# Altium PCB uZed_breakout.PcbDoc (part 2 of 4)
Units mm, origin at the board's own origin, x right, y up, seen from the top; angles counter-clockwise.
Board outline 101.6 x 80.24 mm, 4 copper layers (Top Layer, Layer 1, Layer 2, Bottom Layer), stack 0.603 mm thick; 59 components, 141 nets, 617 pads, 641 vias.
Unrouted connection lines stored in the file: 23.
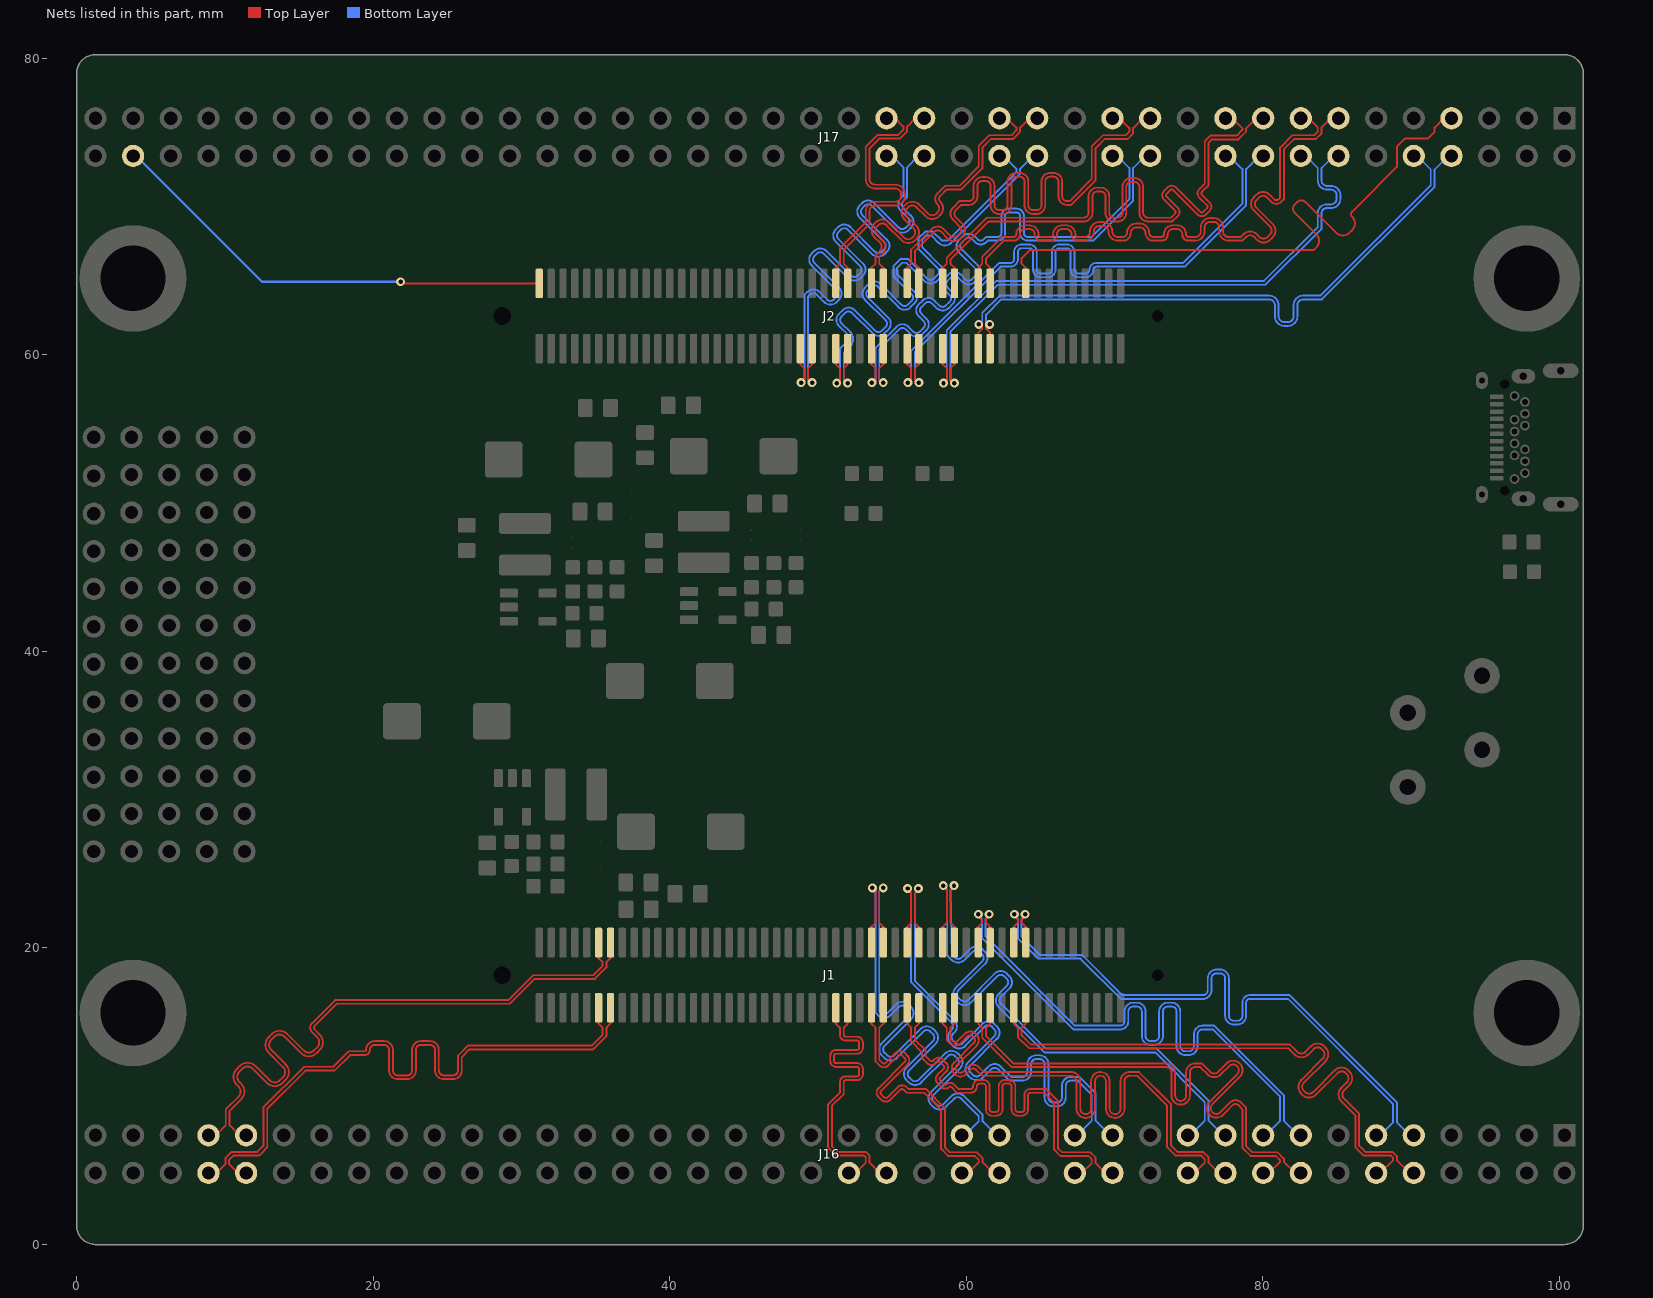
[diagram p4: the nets of this part, all layers, seen from the top]

## Via types
v1: diameter 0.6, hole 0.3, Top Layer to Bottom Layer, 562 vias
v2: diameter 0.6, hole 0.3, Top Layer to Bottom Layer, tented both sides, 75 vias
v3: diameter 0.711, hole 0.381, Top Layer to Bottom Layer, tented both sides, 4 vias

## Nets (pads, with @x,y where several pads share a name; then routed paths per layer and width w, separated by ;. In a path a pad name is that pad's centre, name@x,y a point inside that pad or via, vN(x,y) a via of type N, cw(c..) or ccw(c..) an arc to the next point about the centre after c; other vN are vias at no path point) (continued)
L1_T0_35_P: J2.18 J17.7 | length 42.3
  Top Layer w0.127: J2.18@64,64.811 64,65.875 63.727,66.148 63.727,66.523 64.26,67.056 83.417,67.056 83.592,67.231 ccw(c83.143,67.68) 83.778,67.68 ccw(c83.143,67.68) 83.592,68.129 82.138,69.584 cw(c82.407,69.853) 82.138,70.123 82.317,70.302 cw(c82.587,70.033) 82.856,70.302 84.933,68.225 ccw(c85.382,68.674) 85.831,68.225 86.011,68.405 ccw(c85.562,68.854) 86.197,68.854 ccw(c85.562,68.854) 86.011,69.303 cw(c86.184,69.476) 86.011,69.65 86.413,70.051 89.027,72.666 89.027,74.041 89.56,74.574 91.113,74.574 91.567,75.028 91.567,75.311 92.202,75.946 J17.7@92.71,75.946
L2_T0_34_N: J1.19 J16.12 | length 41.2
  Top Layer w0.127: J1.19@63.2,15.961 63.2,14.897 63.473,14.624 63.473,13.992 64.231,13.233 81.712,13.233 81.866,13.079 82.133,12.812 ccw(c82.587,13.265) 83.04,12.812 83.408,13.18 cw(c83.682,12.906) 83.956,13.18 84.037,13.099 cw(c83.763,12.825) 84.15,12.825 cw(c83.763,12.825) 84.037,12.552 82.573,11.088 ccw(c83.027,10.634) 82.573,10.181 82.654,10.1 ccw(c83.108,10.553) 83.561,10.1 85.025,11.564 cw(c85.299,11.29) 85.573,11.564 85.653,11.483 cw(c85.38,11.209) 85.767,11.209 cw(c85.38,11.209) 85.653,10.935 85.285,10.567 ccw(c85.739,10.113) 85.285,9.66 86.233,8.712 86.233,6.55 86.788,5.994 88.621,5.994 88.773,5.842 88.773,5.69 87.909,4.826 J16.12@87.63,4.826
L2_T0_34_P: J1.17 J16.10 | length 41.2
  Top Layer w0.127: J1.17@64,15.961 64,14.897 63.727,14.624 63.727,14.097 64.337,13.487 81.817,13.487 82.046,13.259 82.313,12.992 ccw(c82.587,13.265) 82.861,12.992 83.229,13.36 cw(c83.682,12.906) 84.136,13.36 84.217,13.279 cw(c83.763,12.825) 84.404,12.825 cw(c83.763,12.825) 84.217,12.372 82.753,10.908 ccw(c83.027,10.634) 82.753,10.36 82.834,10.28 ccw(c83.108,10.553) 83.381,10.28 84.845,11.743 cw(c85.299,11.29) 85.752,11.743 85.833,11.663 cw(c85.38,11.209) 86.021,11.209 cw(c85.38,11.209) 85.833,10.756 85.465,10.387 ccw(c85.739,10.113) 85.465,9.84 86.487,8.817 86.487,6.655 86.893,6.248 88.726,6.248 89.027,5.947 89.027,5.69 89.891,4.826 J16.10@90.17,4.826
L2_T0_35_N: J2.25 J17.10 | length 41.6
  Top Layer w0.127: J2.25@60.8,60.411 60.8,61.474 61.073,61.747 v2@61.073,61.976
  Bottom Layer w0.127: v2@60.883,62.052 61.073,62.243 61.073,62.818 62.238,63.983 80.416,63.983 cw(c80.416,63.348) 81.051,63.348 81.051,62.586 ccw(c81.432,62.586) 81.432,62.205 81.686,62.205 ccw(c81.686,62.586) 82.067,62.586 82.067,63.348 cw(c82.702,63.348) 82.702,63.983 83.871,63.983 91.313,71.425 91.313,72.492 90.399,73.406 J17.10@90.17,73.406
  other v2: 60.832,62.052
L2_T0_35_P: J2.23 J17.8 | length 41.8
  Top Layer w0.127: v2@61.518,62.052 61.403,62.052 61.327,61.976 61.327,61.747 61.6,61.474 J2.23@61.6,60.411
  Bottom Layer w0.127: v2@61.518,62.052 61.327,62.243 61.327,62.713 62.343,63.729 80.416,63.729 cw(c80.416,63.348) 80.797,63.348 80.797,62.586 ccw(c81.432,62.586) 81.432,61.951 81.686,61.951 ccw(c81.686,62.586) 82.321,62.586 82.321,63.348 cw(c82.702,63.348) 82.702,63.729 83.976,63.729 91.567,71.32 91.567,72.492 92.481,73.406 J17.8@92.71,73.406
  other v2: 61.568,62.052
L3_T0_34_N: J1.20 J16.11 | length 42.3
  Top Layer w0.127: J1.20@63.2,20.361 63.2,21.425 63.473,21.698 63.473,21.905 63.235,22.143 v2(63.235,22.271)
  Bottom Layer w0.127: v2(63.235,22.271) 63.235,22.196 63.472,21.96 63.472,20.648 64.841,19.279 67.691,19.279 70.409,16.561 75.936,16.561 ccw(c75.936,17.155) 76.53,17.155 76.53,17.948 cw(c76.871,17.948) 76.871,18.288 77.104,18.288 cw(c77.104,17.948) 77.445,17.948 77.445,15.428 ccw(c78.039,15.428) 78.039,14.834 78.273,14.834 ccw(c78.273,15.428) 78.867,15.428 78.867,16.332 cw(c79.096,16.332) 79.096,16.561 81.686,16.561 88.773,9.474 88.773,8.23 87.909,7.366 J16.11@87.63,7.366
L3_T0_34_P: J1.18 J16.9 | length 42.3
  Top Layer w0.127: v2(63.962,22.271) 63.962,22.143 63.727,21.907 63.727,21.698 64,21.425 J1.18@64,20.361
  Bottom Layer w0.127: v2(63.962,22.271) 63.962,22.196 63.726,21.96 63.726,20.753 64.946,19.533 67.796,19.533 70.514,16.815 75.936,16.815 ccw(c75.936,17.155) 76.276,17.155 76.276,17.948 cw(c76.871,17.948) 76.871,18.542 77.104,18.542 cw(c77.104,17.948) 77.699,17.948 77.699,15.428 ccw(c78.039,15.428) 78.039,15.088 78.273,15.088 ccw(c78.273,15.428) 78.613,15.428 78.613,16.332 cw(c79.096,16.332) 79.096,16.815 81.792,16.815 89.027,9.579 89.027,8.23 89.891,7.366 J16.9@90.17,7.366
L3_T0_35_N: J2.26 J17.15 | length 42.1
  Top Layer w0.127: J2.26@60.8,64.811 60.8,65.875 61.073,66.148 61.073,66.602 62.416,67.945 63.198,67.945 ccw(c63.198,68.108) 63.36,68.108 cw(c63.985,68.108) 63.985,68.732 64.234,68.732 cw(c64.234,68.108) 64.859,68.108 ccw(c65.021,68.108) 65.021,67.945 65.687,67.945 ccw(c65.687,68.108) 65.849,68.108 cw(c66.474,68.108) 66.474,68.732 66.723,68.732 cw(c66.723,68.108) 67.348,68.108 ccw(c67.511,68.108) 67.511,67.945 67.968,67.945 ccw(c67.968,68.316) 68.339,68.316 cw(c68.964,68.316) 68.964,68.94 69.212,68.94 cw(c69.212,68.316) 69.837,68.316 ccw(c70.208,68.316) 70.208,67.945 70.559,67.945 ccw(c70.559,68.214) 70.828,68.214 cw(c71.453,68.214) 71.453,68.839 71.702,68.839 cw(c71.702,68.214) 72.326,68.214 ccw(c72.596,68.214) 72.596,67.945 73.153,67.945 ccw(c73.153,68.109) 73.317,68.109 cw(c73.942,68.109) 73.942,68.734 74.191,68.734 cw(c74.191,68.109) 74.816,68.109 ccw(c74.98,68.109) 74.98,67.945 75.435,67.945 ccw(c75.435,68.316) 75.806,68.316 75.806,68.59 cw(c76.431,68.59) 76.431,69.215 76.68,69.215 cw(c76.68,68.59) 77.305,68.59 77.305,68.316 ccw(c77.676,68.316) 77.676,67.945 78.511,67.945 78.697,68.131 cw(c79.139,67.689) 79.581,68.131 79.775,67.937 ccw(c80.037,68.199) 80.299,67.937 80.475,68.113 ccw(c80.213,68.375) 80.584,68.375 ccw(c80.213,68.375) 80.475,68.637 79.383,69.729 cw(c79.825,70.171) 79.383,70.613 79.559,70.789 cw(c80.001,70.347) 80.443,70.789 80.742,70.489 ccw(c80.899,70.646) 81.055,70.489 81.153,70.587 81.153,73.968 81.988,74.803 83.464,74.803 83.693,75.032 83.693,75.336 83.083,75.946 J17.15@82.55,75.946
L3_T0_35_P: J2.24 J17.13 | length 42.1
  Top Layer w0.127: J2.24@61.6,64.811 61.6,65.875 61.327,66.148 61.327,66.497 62.521,67.691 63.198,67.691 ccw(c63.198,68.108) 63.614,68.108 cw(c63.985,68.108) 63.985,68.478 64.234,68.478 cw(c64.234,68.108) 64.605,68.108 ccw(c65.021,68.108) 65.021,67.691 65.687,67.691 ccw(c65.687,68.108) 66.103,68.108 cw(c66.474,68.108) 66.474,68.478 66.723,68.478 cw(c66.723,68.108) 67.094,68.108 ccw(c67.511,68.108) 67.511,67.691 67.968,67.691 ccw(c67.968,68.316) 68.593,68.316 cw(c68.964,68.316) 68.964,68.686 69.212,68.686 cw(c69.212,68.316) 69.583,68.316 ccw(c70.208,68.316) 70.208,67.691 70.559,67.691 ccw(c70.559,68.214) 71.082,68.214 cw(c71.453,68.214) 71.453,68.585 71.702,68.585 cw(c71.702,68.214) 72.072,68.214 ccw(c72.596,68.214) 72.596,67.691 73.153,67.691 ccw(c73.153,68.109) 73.571,68.109 cw(c73.942,68.109) 73.942,68.48 74.191,68.48 cw(c74.191,68.109) 74.562,68.109 ccw(c74.98,68.109) 74.98,67.691 75.435,67.691 ccw(c75.435,68.316) 76.06,68.316 76.06,68.59 cw(c76.431,68.59) 76.431,68.961 76.68,68.961 cw(c76.68,68.59) 77.051,68.59 77.051,68.316 ccw(c77.676,68.316) 77.676,67.691 78.617,67.691 78.877,67.951 cw(c79.139,67.689) 79.401,67.951 79.595,67.757 ccw(c80.037,68.199) 80.479,67.757 80.655,67.933 ccw(c80.213,68.375) 80.838,68.375 ccw(c80.213,68.375) 80.655,68.817 79.563,69.909 cw(c79.825,70.171) 79.563,70.433 79.739,70.609 cw(c80.001,70.347) 80.263,70.609 80.563,70.309 ccw(c80.899,70.646) 81.235,70.309 81.407,70.481 81.407,73.863 82.093,74.549 83.57,74.549 83.947,74.926 83.947,75.336 84.557,75.946 J17.13@85.09,75.946
L4_T0_34_N: J1.25 J16.18 | length 39
  Top Layer w0.127: J1.25@60.8,15.961 60.8,14.897 61.073,14.624 61.073,13.941 63.051,11.963 73.457,11.963 cw(c73.457,11.595) 73.825,11.595 73.825,10.054 ccw(c74.447,10.054) 75.07,10.054 75.07,11.595 cw(c75.438,11.595) 75.438,11.963 75.768,11.963 76.263,11.468 ccw(c76.713,11.917) 77.162,11.468 77.723,12.03 ; 77.724,12.03 cw(c77.992,11.76) 78.262,12.03 cw(c77.992,11.76) 78.373,11.76 cw(c77.992,11.76) 78.262,11.491 76.407,9.636 ccw(c76.856,9.187) 77.305,8.738 77.978,9.411 cw(c78.149,9.239) 78.321,9.411 78.613,9.119 78.613,6.524 79.168,5.969 80.874,5.969 81.153,5.69 81.153,5.588 80.391,4.826 J16.18@80.01,4.826
L4_T0_34_P: J1.23 J16.16 | length 39
  Top Layer w0.127: J1.23@61.6,15.961 61.6,14.897 61.327,14.624 61.327,14.046 63.156,12.217 73.457,12.217 cw(c73.457,11.595) 74.079,11.595 74.079,10.054 ccw(c74.447,10.054) 74.816,10.054 74.816,11.595 cw(c75.438,11.595) 75.438,12.217 75.873,12.217 76.443,11.648 ; 76.443,11.648 ccw(c76.713,11.917) 76.981,11.647 ; 76.586,8.918 cw(c76.856,9.187) 76.587,9.456 78.441,11.311 ccw(c77.992,11.76) 78.627,11.76 ccw(c77.992,11.76) 77.543,12.209 76.982,11.648 ; 76.587,8.918 ccw(c76.856,9.187) 77.125,8.917 ; 77.125,8.918 77.798,9.59 cw(c78.149,9.239) 78.501,9.59 78.867,9.224 78.867,6.629 79.273,6.223 80.979,6.223 81.407,5.795 81.407,5.588 82.169,4.826 J16.16@82.55,4.826
L4_T0_35_N: J2.31 J17.16 | length 41.2
  Top Layer w0.127: J2.31@58.4,60.411 58.4,59.347 58.673,59.074 58.673,58.28 v2@58.483,58.09
  Bottom Layer w0.127: v2@58.483,58.09 58.673,58.28 58.673,61.648 61.998,64.973 80.061,64.973 83.693,68.605 83.693,69.545 cw(c84.29,69.545) 84.29,70.142 84.592,70.142 ccw(c84.592,70.513) 84.963,70.513 84.963,70.762 ccw(c84.592,70.762) 84.592,71.133 84.318,71.133 cw(c84.318,71.758) 83.693,71.758 83.693,72.593 82.88,73.406 J17.16@82.55,73.406
  other v2: 58.457,58.09
L4_T0_35_P: J2.29 J17.14 | length 41.2
  Top Layer w0.127: v2@59.118,58.09 58.927,58.28 58.927,59.074 59.2,59.347 J2.29@59.2,60.411
  Bottom Layer w0.127: v2@59.118,58.09 58.927,58.28 58.927,61.543 62.103,64.719 80.166,64.719 83.947,68.5 83.947,69.545 cw(c84.29,69.545) 84.29,69.888 84.592,69.888 ccw(c84.592,70.513) 85.217,70.513 85.217,70.762 ccw(c84.592,70.762) 84.592,71.387 84.318,71.387 cw(c84.318,71.758) 83.947,71.758 83.947,72.593 84.76,73.406 J17.14@85.09,73.406
  other v2: 59.194,58.09
L5_T0_34_N: J1.26 J16.17 | length 41.3
  Top Layer w0.127: J1.26@60.8,20.361 60.8,21.425 61.073,21.698 61.073,21.881 60.808,22.146 v2(60.808,22.274)
  Bottom Layer w0.127: v2(60.808,22.274) 60.808,22.199 61.044,21.963 61.044,20.675 67.216,14.503 70.358,14.503 ccw(c70.358,15.062) 70.917,15.062 70.917,15.712 cw(c71.257,15.712) 71.257,16.053 71.491,16.053 cw(c71.491,15.712) 71.831,15.712 71.831,14.056 ccw(c72.426,14.056) 72.426,13.462 72.659,13.462 ccw(c72.659,14.056) 73.254,14.056 73.254,15.712 cw(c73.594,15.712) 73.594,16.053 73.828,16.053 cw(c73.828,15.712) 74.168,15.712 74.168,13.371 ccw(c74.762,13.371) 74.762,12.776 74.996,12.776 ccw(c74.996,13.371) 75.59,13.371 75.59,14.163 cw(c75.931,14.163) 75.931,14.503 76.606,14.503 81.153,9.957 81.153,8.357 80.162,7.366 J16.17@80.01,7.366
L5_T0_34_P: J1.24 J16.15 | length 41.3
  Top Layer w0.127: v2(61.535,22.274) 61.535,22.146 61.327,21.938 61.327,21.698 61.6,21.425 J1.24@61.6,20.361
  Bottom Layer w0.127: v2(61.535,22.274) 61.535,22.199 61.298,21.963 61.298,20.781 67.321,14.757 70.358,14.757 ccw(c70.358,15.062) 70.663,15.062 70.663,15.712 cw(c71.257,15.712) 71.257,16.307 71.491,16.307 cw(c71.491,15.712) 72.085,15.712 72.085,14.056 ccw(c72.426,14.056) 72.426,13.716 72.659,13.716 ccw(c72.659,14.056) 73,14.056 73,15.712 cw(c73.594,15.712) 73.594,16.307 73.828,16.307 cw(c73.828,15.712) 74.422,15.712 74.422,13.371 ccw(c74.762,13.371) 74.762,13.03 74.996,13.03 ccw(c74.996,13.371) 75.336,13.371 75.336,14.163 cw(c75.931,14.163) 75.931,14.757 76.712,14.757 81.407,10.062 81.407,8.357 82.398,7.366 J16.15@82.55,7.366
L5_T0_35_N: J2.32 J17.19 | length 41.7
  Top Layer w0.127: J2.32@58.4,64.811 58.4,65.875 58.673,66.148 58.673,66.525 61.388,69.24 67.907,69.24 ccw(c67.907,69.571) 68.237,69.571 68.237,70.68 cw(c68.821,70.68) 68.821,71.265 69.05,71.265 cw(c69.05,70.68) 69.634,70.68 69.634,69.571 ccw(c69.964,69.571) 69.964,69.24 70.193,69.24 ccw(c70.193,69.571) 70.523,69.571 70.523,71.323 cw(c71.107,71.323) 71.107,71.907 71.336,71.907 cw(c71.336,71.323) 71.92,71.323 71.92,69.571 ccw(c72.25,69.571) 72.25,69.24 73.787,69.24 74.072,69.525 ccw(c73.973,69.624) 74.112,69.624 ccw(c73.973,69.624) 74.072,69.723 73.317,70.477 cw(c73.596,70.755) 73.317,71.034 73.569,71.285 cw(c73.847,71.007) 74.125,71.285 75.775,69.635 ccw(c75.874,69.734) 75.973,69.635 76.224,69.887 ccw(c76.125,69.986) 76.265,69.986 ccw(c76.125,69.986) 76.224,70.084 75.706,70.603 cw(c75.984,70.881) 75.706,71.159 76.073,71.526 76.073,74.4 76.45,74.778 78.232,74.778 78.613,75.159 78.613,75.26 77.927,75.946 J17.19@77.47,75.946 J17.19@77.165,75.946
L5_T0_35_P: J2.30 J17.17 | length 41.4
  Top Layer w0.127: J2.30@59.2,64.811 59.2,65.875 58.927,66.148 58.927,66.42 61.493,68.986 67.907,68.986 ccw(c67.907,69.571) 68.491,69.571 68.491,70.68 cw(c68.821,70.68) 68.821,71.011 69.05,71.011 cw(c69.05,70.68) 69.38,70.68 69.38,69.571 ccw(c69.964,69.571) 69.964,68.986 70.193,68.986 ccw(c70.193,69.571) 70.777,69.571 70.777,71.323 cw(c71.107,71.323) 71.107,71.653 71.336,71.653 cw(c71.336,71.323) 71.666,71.323 71.666,69.571 ccw(c72.25,69.571) 72.25,68.986 73.892,68.986 74.251,69.345 ccw(c73.973,69.624) 74.366,69.624 ccw(c73.973,69.624) 74.251,69.902 73.497,70.656 cw(c73.596,70.755) 73.497,70.854 73.748,71.105 cw(c73.847,71.007) 73.946,71.105 75.596,69.456 ccw(c75.874,69.734) 76.152,69.456 76.404,69.707 ccw(c76.125,69.986) 76.519,69.986 ccw(c76.125,69.986) 76.404,70.264 75.886,70.782 cw(c75.984,70.881) 75.886,70.98 76.327,71.421 76.327,74.295 76.556,74.524 78.337,74.524 78.867,75.053 78.867,75.26 79.553,75.946 J17.17@80.01,75.946
L6_T1_34_N: J1.31 J16.22 | length 40.4
  Top Layer w0.127: J1.31@58.4,15.961 58.4,14.897 58.673,14.624 58.673,13.763 58.875,13.561 ccw(c59.24,13.925) 59.605,13.561 60.074,14.03 cw(c60.259,13.845) 60.444,14.03 60.505,13.969 cw(c60.32,13.784) 60.581,13.784 cw(c60.32,13.784) 60.505,13.599 59.169,12.263 ccw(c59.534,11.899) 59.169,11.534 59.231,11.473 ccw(c59.595,11.838) 59.96,11.473 60.276,11.79 cw(c60.461,11.605) 60.646,11.79 61.057,11.379 67.056,11.379 cw(c67.056,11.011) 67.424,11.011 67.424,9.157 ccw(c68.047,9.157) 68.669,9.157 68.669,11.011 cw(c69.037,11.011) 69.406,11.011 69.406,9.157 ccw(c70.028,9.157) 70.65,9.157 70.65,11.011 cw(c71.018,11.011) 71.018,11.379 71.526,11.379 73.533,9.373 73.533,6.575 74.114,5.994 75.844,5.994 76.073,5.766 76.073,5.512 75.387,4.826 J16.22@74.93,4.826
L6_T1_34_P: J1.29 J16.20 | length 40.4
  Top Layer w0.127: J1.29@59.2,15.961 59.2,14.897 58.927,14.624 58.927,13.868 59.055,13.74 ccw(c59.24,13.925) 59.425,13.74 59.894,14.209 cw(c60.259,13.845) 60.623,14.209 60.684,14.148 cw(c60.32,13.784) 60.835,13.784 cw(c60.32,13.784) 60.684,13.419 59.349,12.084 ccw(c59.534,11.899) 59.349,11.714 59.41,11.653 ccw(c59.595,11.838) 59.78,11.653 60.097,11.969 cw(c60.461,11.605) 60.826,11.969 61.162,11.633 67.056,11.633 cw(c67.056,11.011) 67.678,11.011 67.678,9.157 ccw(c68.047,9.157) 68.415,9.157 68.415,11.011 cw(c69.037,11.011) 69.659,11.011 69.659,9.157 ccw(c70.028,9.157) 70.396,9.157 70.396,11.011 cw(c71.018,11.011) 71.018,11.633 71.632,11.633 73.787,9.478 73.787,6.68 74.219,6.248 75.95,6.248 76.327,5.871 76.327,5.512 77.013,4.826 J16.20@77.47,4.826
L6_T1_35_N: J2.37 J17.20 | length 41.2
  Top Layer w0.127: J2.37@56,60.411 56,59.347 56.273,59.074 56.273,58.306 v2@56.083,58.115
  Bottom Layer w0.127: v2@56.083,58.115 56.273,58.306 56.273,60.261 62.205,66.192 62.967,66.192 ccw(c62.967,66.446) 63.221,66.446 63.221,66.931 cw(c63.729,66.931) 63.729,67.439 64.237,67.439 cw(c64.237,66.931) 64.745,66.931 64.745,65.735 ccw(c64.999,65.735) 64.999,65.481 65.507,65.481 ccw(c65.507,65.735) 65.761,65.735 65.761,66.931 cw(c66.269,66.931) 66.269,67.439 66.777,67.439 cw(c66.777,66.931) 67.285,66.931 67.285,65.735 ccw(c67.539,65.735) 67.539,65.481 68.047,65.481 ccw(c68.047,65.735) 68.301,65.735 cw(c68.758,65.735) 68.758,66.192 74.625,66.192 78.613,70.18 78.613,72.517 77.724,73.406 J17.20@77.47,73.406
  other v2: 56.057,58.115
L6_T1_35_P: J2.35 J17.18 | length 41.2
  Top Layer w0.127: v2@56.718,58.115 56.527,58.306 56.527,59.074 56.8,59.347 J2.35@56.8,60.411
  Bottom Layer w0.127: v2@56.718,58.115 56.527,58.306 56.527,60.156 62.31,65.938 62.967,65.938 ccw(c62.967,66.446) 63.475,66.446 63.475,66.931 cw(c63.729,66.931) 63.729,67.185 64.237,67.185 cw(c64.237,66.931) 64.491,66.931 64.491,65.735 ccw(c64.999,65.735) 64.999,65.227 65.507,65.227 ccw(c65.507,65.735) 66.015,65.735 66.015,66.931 cw(c66.269,66.931) 66.269,67.185 66.777,67.185 cw(c66.777,66.931) 67.031,66.931 67.031,65.735 ccw(c67.539,65.735) 67.539,65.227 68.047,65.227 ccw(c68.047,65.735) 68.555,65.735 cw(c68.758,65.735) 68.758,65.938 74.73,65.938 78.867,70.075 78.867,72.517 79.756,73.406 J17.18@80.01,73.406
  other v2: 56.794,58.115
L6_T3_13_N: J2.100 J17.78 | length 31
  Top Layer w0.152: v2(21.844,64.922) 21.955,64.811 J2.100@31.2,64.811
  Bottom Layer w0.152: J17.78@3.81,73.406 4.013,73.406 12.497,64.922 v2(21.844,64.922)
L7_T1_34_N: J1.32 J16.21 | length 41.9
  Top Layer w0.127: J1.32@58.4,20.361 58.4,21.425 58.673,21.698 58.673,22.972 ; v2(58.437,24.196) 58.437,24.122 58.674,23.885 58.674,22.973
  Bottom Layer w0.127: v2(58.437,24.196) 58.599,24.127 58.673,24.053 58.71,19.493 58.785,19.418 59.022,19.181 ccw(c59.442,19.602) 59.862,19.181 60.422,19.742 cw(c60.663,19.501) 60.904,19.742 61.069,19.577 cw(c60.828,19.336) 61.169,19.336 cw(c60.828,19.336) 61.069,19.095 59.287,17.314 ccw(c59.708,16.893) 59.287,16.473 59.453,16.308 ccw(c59.873,16.728) 60.293,16.308 62.075,18.089 cw(c62.315,17.849) 62.556,18.089 62.721,17.924 cw(c62.481,17.684) 62.821,17.684 cw(c62.481,17.684) 62.721,17.443 62.161,16.883 ccw(c62.581,16.462) 62.161,16.042 65.249,12.954 72.72,12.954 76.073,9.601 76.073,8.357 75.082,7.366 J16.21@74.93,7.366
L7_T1_34_P: J1.30 J16.19 | length 41.8
  Top Layer w0.127: 58.927,22.867 58.927,21.698 59.2,21.425 J1.30@59.2,20.361 ; 58.928,22.868 58.928,23.885 59.164,24.122 v2(59.164,24.196)
  Bottom Layer w0.127: v2(59.164,24.196) 58.94,23.913 58.94,23.808 59.039,19.524 59.201,19.361 ccw(c59.442,19.602) 59.682,19.361 60.243,19.921 cw(c60.663,19.501) 61.083,19.921 61.249,19.756 cw(c60.828,19.336) 61.423,19.336 cw(c60.828,19.336) 61.249,18.916 59.467,17.134 ccw(c59.708,16.893) 59.467,16.653 59.632,16.487 ccw(c59.873,16.728) 60.114,16.487 61.895,18.269 cw(c62.315,17.849) 62.736,18.269 62.9,18.104 cw(c62.481,17.684) 63.075,17.684 cw(c62.481,17.684) 62.901,17.263 62.341,16.703 ccw(c62.581,16.462) 62.341,16.222 65.354,13.208 72.825,13.208 76.327,9.706 76.327,8.357 77.318,7.366 J16.19@77.47,7.366
L7_T1_35_N: J2.38 J17.25 | length 36.6
  Top Layer w0.127: J2.38@56,64.811 56,65.875 56.273,66.148 56.273,67.097 57.646,68.47 cw(c58.059,68.057) 58.473,68.47 58.927,68.016 ccw(c59.16,68.25) 59.394,68.016 59.555,68.178 ccw(c59.322,68.411) 59.652,68.411 ccw(c59.322,68.411) 59.555,68.645 59.101,69.099 cw(c59.514,69.512) 59.101,69.925 59.534,70.358 60.16,70.358 ccw(c60.16,70.688) 60.49,70.688 60.49,71.392 cw(c61.074,71.392) 61.074,71.976 61.303,71.976 cw(c61.303,71.392) 61.887,71.392 61.887,70.079 ccw(c62.217,70.079) 62.217,69.748 62.446,69.748 ccw(c62.446,70.079) 62.776,70.079 62.776,71.679 cw(c63.36,71.679) 63.36,72.263 63.589,72.263 cw(c63.589,71.679) 64.173,71.679 64.173,70.079 ccw(c64.503,70.079) 64.503,69.748 64.732,69.748 ccw(c64.732,70.079) 65.062,70.079 65.062,71.679 cw(c65.646,71.679) 65.646,72.263 65.875,72.263 cw(c65.875,71.679) 66.459,71.679 66.459,70.688 ccw(c66.789,70.688) 66.789,70.358 66.954,70.358 68.453,71.857 68.453,74.045 69.211,74.803 70.761,74.803 70.993,75.035 70.993,75.286 70.333,75.946 J17.25@69.85,75.946
L7_T1_35_P: J2.36 J17.23 | length 36.6
  Top Layer w0.127: J2.36@56.8,64.811 56.8,65.875 56.527,66.148 56.527,66.992 57.826,68.291 cw(c58.059,68.057) 58.293,68.291 58.747,67.837 ccw(c59.16,68.25) 59.573,67.837 59.735,67.998 ccw(c59.322,68.411) 59.906,68.411 ccw(c59.322,68.411) 59.735,68.824 59.281,69.279 cw(c59.514,69.512) 59.281,69.746 59.639,70.104 60.16,70.104 ccw(c60.16,70.688) 60.744,70.688 60.744,71.392 cw(c61.074,71.392) 61.074,71.722 61.303,71.722 cw(c61.303,71.392) 61.633,71.392 61.633,70.079 ccw(c62.217,70.079) 62.217,69.494 62.446,69.494 ccw(c62.446,70.079) 63.03,70.079 63.03,71.679 cw(c63.36,71.679) 63.36,72.009 63.589,72.009 cw(c63.589,71.679) 63.919,71.679 63.919,70.079 ccw(c64.503,70.079) 64.503,69.494 64.732,69.494 ccw(c64.732,70.079) 65.316,70.079 65.316,71.679 cw(c65.646,71.679) 65.646,72.009 65.875,72.009 cw(c65.875,71.679) 66.205,71.679 66.205,70.688 ccw(c66.789,70.688) 66.789,70.104 67.06,70.104 68.707,71.751 68.707,73.939 69.317,74.549 70.866,74.549 71.247,74.93 71.247,75.286 71.907,75.946 J17.23@72.39,75.946
L8_T1_34_N: J1.37 J16.28 | length 30.6
  Top Layer w0.127: J1.37@56,15.961 56,14.897 56.273,14.624 56.273,13.7 57.003,12.97 57.003,12.589 57.376,12.217 ccw(c57.654,12.495) 57.932,12.217 58.022,12.307 cw(c58.121,12.208) 58.22,12.307 58.471,12.055 cw(c58.372,11.956) 58.512,11.956 cw(c58.372,11.956) 58.471,11.858 58.05,11.437 ccw(c58.329,11.159) 58.05,10.88 58.302,10.629 ccw(c58.58,10.907) 58.859,10.629 cw(c58.911,10.576) 58.964,10.629 59.356,10.236 60.277,10.236 ccw(c60.277,10.665) 60.706,10.665 ; 60.706,10.671 cw(c60.881,10.671) 60.881,10.846 61.14,10.846 cw(c61.14,10.671) 61.316,10.671 61.316,9.116 ccw(c61.745,9.116) 61.745,8.687 62.004,8.687 ccw(c62.004,9.116) 62.433,9.116 62.433,10.671 cw(c62.608,10.671) 62.608,10.846 62.868,10.846 cw(c62.868,10.671) 63.043,10.671 63.043,9.116 ccw(c63.472,9.116) 63.472,8.687 63.731,8.687 ccw(c63.731,9.116) 64.16,9.116 64.16,10.061 cw(c64.336,10.061) 64.336,10.236 65.253,10.236 65.913,9.576 65.913,6.397 66.341,5.969 68.246,5.969 68.453,5.762 68.453,5.486 67.793,4.826 J16.28@67.31,4.826
L8_T1_34_P: J1.35 J16.26 | length 30.6
  Top Layer w0.127: J1.35@56.8,15.961 56.8,14.897 56.527,14.624 56.527,13.818 57.226,13.118 57.226,13.106 57.257,13.075 57.257,12.695 57.555,12.396 ccw(c57.654,12.495) 57.753,12.396 57.842,12.486 cw(c58.121,12.208) 58.399,12.486 58.651,12.235 cw(c58.372,11.956) 58.766,11.956 cw(c58.372,11.956) 58.651,11.678 58.23,11.257 ccw(c58.329,11.159) 58.23,11.06 58.482,10.808 ccw(c58.58,10.907) 58.679,10.808 cw(c58.911,10.576) 59.143,10.808 59.461,10.49 60.277,10.49 ccw(c60.277,10.665) 60.452,10.665 ; 60.452,10.671 cw(c60.881,10.671) 60.881,11.1 61.14,11.1 cw(c61.14,10.671) 61.57,10.671 61.57,9.116 ccw(c61.745,9.116) 61.745,8.941 62.004,8.941 ccw(c62.004,9.116) 62.179,9.116 62.179,10.671 cw(c62.608,10.671) 62.608,11.1 62.868,11.1 cw(c62.868,10.671) 63.297,10.671 63.297,9.116 ccw(c63.472,9.116) 63.472,8.941 63.731,8.941 ccw(c63.731,9.116) 63.906,9.116 63.906,10.061 cw(c64.336,10.061) 64.336,10.49 65.358,10.49 65.51,10.338 66.167,9.681 66.167,6.502 66.446,6.223 68.351,6.223 68.707,5.867 68.707,5.486 69.367,4.826 J16.26@69.85,4.826
L8_T1_35_N: J2.43 J17.26 | length 40.5
  Top Layer w0.127: J2.43@53.6,60.411 53.6,59.347 53.873,59.074 v2@53.873,58.217
  Bottom Layer w0.127: v2@53.683,58.115 53.873,58.306 53.873,60.481 55.288,61.896 cw(c55.686,61.498) 56.084,61.896 56.419,61.561 ccw(c56.637,61.779) 56.855,61.561 57.119,61.825 ccw(c56.901,62.043) 57.209,62.043 ccw(c56.901,62.043) 57.119,62.262 56.784,62.596 cw(c57.182,62.994) 56.784,63.392 57.048,63.656 cw(c57.446,63.258) 57.844,63.656 58.179,63.321 ccw(c58.397,63.54) 58.615,63.321 58.879,63.585 ccw(c58.661,63.804) 58.97,63.804 ccw(c58.661,63.804) 58.879,64.022 58.545,64.356 cw(c58.942,64.754) 58.545,65.152 58.809,65.416 cw(c59.206,65.018) 59.604,65.416 59.939,65.081 ccw(c60.157,65.3) 60.375,65.081 60.639,65.345 ccw(c60.421,65.564) 60.73,65.564 ccw(c60.421,65.564) 60.639,65.782 59.495,66.926 cw(c59.893,67.324) 59.495,67.721 59.759,67.985 cw(c60.157,67.588) 60.555,67.985 60.766,67.775 ccw(c60.966,67.976) 61.167,67.775 61.339,67.947 62.103,67.947 ccw(c62.103,68.201) 62.357,68.201 62.357,69.344 cw(c62.865,69.344) 62.865,69.852 63.373,69.852 cw(c63.373,69.344) 63.881,69.344 63.881,68.201 ccw(c64.135,68.201) 64.135,67.947 68.455,67.947 70.993,70.485 70.993,72.593 70.18,73.406 J17.26@69.85,73.406
  other v2: 53.632,58.115
L8_T1_35_P: J2.41 J17.24 | length 40.7
  Top Layer w0.127: v2@54.318,58.115 54.229,58.115 54.127,58.217 54.127,59.074 54.4,59.347 J2.41@54.4,60.411
  Bottom Layer w0.127: v2@54.318,58.115 54.127,58.306 54.127,60.375 55.468,61.716 cw(c55.686,61.498) 55.904,61.716 56.239,61.382 ccw(c56.637,61.779) 57.035,61.382 57.299,61.646 ccw(c56.901,62.043) 57.463,62.043 ccw(c56.901,62.043) 57.299,62.441 56.964,62.776 cw(c57.182,62.994) 56.964,63.212 57.228,63.476 cw(c57.446,63.258) 57.664,63.476 57.999,63.142 ccw(c58.397,63.54) 58.795,63.142 59.059,63.406 ccw(c58.661,63.804) 59.224,63.804 ccw(c58.661,63.804) 59.059,64.201 58.724,64.536 cw(c58.942,64.754) 58.724,64.973 58.988,65.237 cw(c59.206,65.018) 59.425,65.237 59.759,64.902 ccw(c60.157,65.3) 60.555,64.902 60.819,65.166 ccw(c60.421,65.564) 60.984,65.564 ccw(c60.421,65.564) 60.819,65.962 59.675,67.105 cw(c59.893,67.324) 59.675,67.542 59.939,67.806 cw(c60.157,67.588) 60.375,67.806 60.586,67.595 ccw(c60.966,67.976) 61.347,67.595 61.444,67.693 62.103,67.693 ccw(c62.103,68.201) 62.611,68.201 62.611,69.344 cw(c62.865,69.344) 62.865,69.598 63.373,69.598 cw(c63.373,69.344) 63.627,69.344 63.627,68.201 ccw(c64.135,68.201) 64.135,67.693 68.56,67.693 68.634,67.767 71.247,70.38 71.247,72.593 72.06,73.406 J17.24@72.39,73.406
  other v2: 54.394,58.115
L9_T1_34_N: J1.38 J16.27 | length 41.5
  Top Layer w0.127: J1.38@56,20.361 56,21.425 56.273,21.698 56.273,22.877 56.277,22.881 56.277,23.698 56.04,23.935 v2(56.04,24.009)
  Bottom Layer w0.127: v2(56.04,24.009) 56.04,23.935 56.277,23.698 56.277,20.876 56.273,20.872 56.273,17.688 59.006,14.955 cw(c58.765,14.714) 59.106,14.714 cw(c58.765,14.714) 59.006,14.474 58.929,14.397 ccw(c59.35,13.977) 58.929,13.557 59.095,13.391 ccw(c59.515,13.812) 59.935,13.391 61.233,14.689 cw(c61.474,14.449) 61.715,14.689 61.88,14.524 cw(c61.639,14.283) 61.979,14.283 cw(c61.639,14.283) 61.88,14.043 60.098,12.261 ccw(c60.518,11.841) 60.098,11.42 60.263,11.255 ccw(c60.684,11.676) 61.104,11.255 61.664,11.816 cw(c61.905,11.575) 62.146,11.816 62.912,11.049 63.769,11.049 ccw(c63.769,11.643) 64.364,11.643 64.364,12.165 cw(c64.704,12.165) 64.704,12.505 64.938,12.505 cw(c64.938,12.165) 65.278,12.165 65.278,9.916 ccw(c65.872,9.916) 65.872,9.322 66.106,9.322 ccw(c66.106,9.916) 66.7,9.916 66.7,10.709 cw(c67.041,10.709) 67.041,11.049 67.513,11.049 68.453,10.109 68.453,8.357 67.462,7.366 J16.27@67.31,7.366
L9_T1_34_P: J1.36 J16.25 | length 41.5
  Top Layer w0.127: v2(56.767,24.009) 56.767,23.935 56.531,23.698 56.531,22.775 56.527,22.771 56.527,21.698 56.8,21.425 J1.36@56.8,20.361
  Bottom Layer w0.127: v2(56.767,24.009) 56.767,23.935 56.531,23.698 56.531,20.771 56.527,20.767 56.527,17.793 59.186,15.135 cw(c58.765,14.714) 59.36,14.714 cw(c58.765,14.714) 59.186,14.294 59.109,14.218 ccw(c59.35,13.977) 59.109,13.736 59.274,13.571 ccw(c59.515,13.812) 59.756,13.571 61.054,14.869 cw(c61.474,14.449) 61.894,14.869 62.059,14.704 cw(c61.639,14.283) 62.233,14.283 cw(c61.639,14.283) 62.059,13.863 60.278,12.081 ccw(c60.518,11.841) 60.278,11.6 60.443,11.435 ccw(c60.684,11.676) 60.924,11.435 61.485,11.995 cw(c61.905,11.575) 62.325,11.995 63.017,11.303 63.769,11.303 ccw(c63.769,11.643) 64.11,11.643 64.11,12.165 cw(c64.704,12.165) 64.704,12.759 64.938,12.759 cw(c64.938,12.165) 65.532,12.165 65.532,9.916 ccw(c65.872,9.916) 65.872,9.576 66.106,9.576 ccw(c66.106,9.916) 66.446,9.916 66.446,10.709 cw(c67.041,10.709) 67.041,11.303 67.618,11.303 68.707,10.214 68.707,8.357 69.698,7.366 J16.25@69.85,7.366
L9_T1_35_N: J2.44 J17.31 | length 24
  Top Layer w0.127: J2.44@53.6,64.811 53.6,65.875 53.873,66.148 53.873,66.704 54.176,67.007 ccw(c53.902,67.281) 54.29,67.281 ccw(c53.902,67.281) 54.176,67.555 53.797,67.934 cw(c54.25,68.388) 53.797,68.841 53.878,68.922 cw(c54.331,68.468) 54.785,68.922 55.808,67.898 ccw(c56.082,68.172) 56.356,67.898 56.437,67.979 ccw(c56.163,68.253) 56.55,68.253 ccw(c56.163,68.253) 56.437,68.527 55.821,69.142 cw(c56.275,69.596) 55.821,70.049 55.902,70.13 cw(c56.356,69.677) 56.809,70.13 57.425,69.515 ccw(c57.698,69.789) 57.972,69.515 58.053,69.596 ccw(c57.779,69.869) 58.167,69.869 ccw(c57.779,69.869) 58.053,70.143 cw(c58.423,70.514) 58.053,70.884 58.569,71.399 59.538,71.399 60.833,72.695 60.833,74.092 60.96,74.219 61.544,74.803 63.043,74.803 63.373,75.133 63.373,75.311 62.738,75.946 J17.31@62.23,75.946
L9_T1_35_P: J2.42 J17.29 | length 24
  Top Layer w0.127: J2.42@54.4,64.811 54.4,65.875 54.127,66.148 54.127,66.598 54.356,66.827 ccw(c53.902,67.281) 54.544,67.281 ccw(c53.902,67.281) 54.356,67.734 53.976,68.114 cw(c54.25,68.388) 53.976,68.661 54.057,68.742 cw(c54.331,68.468) 54.605,68.742 55.629,67.719 ccw(c56.082,68.172) 56.536,67.719 56.616,67.8 ccw(c56.163,68.253) 56.804,68.253 ccw(c56.163,68.253) 56.616,68.707 56.001,69.322 cw(c56.275,69.596) 56.001,69.87 56.082,69.95 cw(c56.356,69.677) 56.63,69.95 57.245,69.335 ccw(c57.698,69.789) 58.152,69.335 58.233,69.416 ccw(c57.779,69.869) 58.421,69.869 ccw(c57.779,69.869) 58.233,70.323 cw(c58.423,70.514) 58.233,70.704 58.674,71.145 59.643,71.145 60.96,72.463 61.087,72.59 61.087,73.987 61.649,74.549 63.148,74.549 63.222,74.623 63.627,75.028 63.627,75.311 64.262,75.946 J17.29@64.77,75.946
L10_T1_34_N: J1.43 J16.34 | length 22
  Top Layer w0.127: J1.43@53.6,15.961 53.6,14.897 53.873,14.624 53.873,12.341 54.137,12.077 ccw(c54.44,12.381) 54.744,12.077 55.412,12.745 cw(c55.536,12.621) 55.66,12.745 55.843,12.562 cw(c55.719,12.438) 55.894,12.438 cw(c55.719,12.438) 55.843,12.314 54.079,10.551 ccw(c54.383,10.247) 54.079,9.944 54.262,9.76 ccw(c54.566,10.064) 54.869,9.76 55.537,10.429 cw(c55.661,10.305) 55.785,10.429 55.978,10.236 57.15,10.236 58.293,9.093 58.293,6.448 58.772,5.969 60.579,5.969 60.833,5.715 60.833,5.537 60.122,4.826 J16.34@59.69,4.826
L10_T1_34_P: J1.41 J16.32 | length 22
  Top Layer w0.127: J1.41@54.4,15.961 54.4,14.897 54.127,14.624 54.127,12.446 54.316,12.257 ccw(c54.44,12.381) 54.564,12.257 55.232,12.925 cw(c55.536,12.621) 55.839,12.925 56.022,12.742 cw(c55.719,12.438) 56.148,12.438 cw(c55.719,12.438) 56.022,12.135 54.259,10.371 ccw(c54.383,10.247) 54.259,10.123 54.442,9.94 ccw(c54.566,10.064) 54.69,9.94 55.358,10.608 cw(c55.661,10.305) 55.965,10.608 56.083,10.49 57.255,10.49 58.547,9.198 58.547,6.553 58.877,6.223 60.684,6.223 61.087,5.82 61.087,5.537 61.798,4.826 J16.32@62.23,4.826
L10_T1_35_N: J2.49 J17.32 | length 39.5
  Top Layer w0.127: J2.49@51.2,60.411 51.2,59.347 51.473,59.074 v2@51.473,58.268
  Bottom Layer w0.127: v2@51.283,58.09 51.473,58.28 51.473,58.826 ; 51.473,58.932 51.473,60.417 51.984,60.929 ccw(c51.766,61.147) 52.075,61.147 ccw(c51.766,61.147) 51.984,61.365 51.397,61.952 cw(c51.795,62.35) 51.397,62.748 51.661,63.012 cw(c52.059,62.614) 52.457,63.012 53.853,61.616 ccw(c54.071,61.834) 54.29,61.616 54.554,61.88 ccw(c54.335,62.098) 54.644,62.098 ccw(c54.335,62.098) 54.554,62.316 53.157,63.713 cw(c53.555,64.11) 53.157,64.508 53.421,64.772 cw(c53.819,64.374) 54.217,64.772 55.613,63.376 ccw(c55.832,63.594) 56.05,63.376 56.314,63.64 ccw(c56.096,63.858) 56.404,63.858 ccw(c56.096,63.858) 56.314,64.076 55.151,65.239 55.076,65.314 55.076,65.961 55.575,66.459 56.05,66.459 57.373,65.136 ccw(c57.592,65.354) 57.81,65.136 58.074,65.4 ccw(c57.856,65.618) 58.164,65.618 ccw(c57.856,65.618) 58.074,65.836 56.769,67.141 56.769,67.847 57.223,68.301 57.738,68.301 58.333,67.705 58.761,67.705 63.373,72.317 63.373,72.542 62.509,73.406 J17.32@62.23,73.406
  other v2: 51.257,58.09
L10_T1_35_P: J2.47 J17.30 | length 39.6
  Top Layer w0.127: 51.727,58.268 51.727,59.074 52,59.347 J2.47@52,60.411
  Bottom Layer w0.127: v2@51.918,58.09 51.727,58.28 51.727,60.138 52.164,60.575 ccw(c51.679,61.06) 52.164,61.545 51.577,62.132 cw(c51.795,62.35) 51.577,62.569 51.841,62.833 cw(c52.059,62.614) 52.277,62.833 53.674,61.436 ccw(c54.071,61.834) 54.469,61.436 54.733,61.7 ccw(c54.335,62.098) 54.898,62.098 ccw(c54.335,62.098) 54.733,62.496 53.337,63.892 cw(c53.555,64.11) 53.337,64.329 53.601,64.593 cw(c53.819,64.374) 54.037,64.593 55.434,63.196 ccw(c55.832,63.594) 56.229,63.196 56.493,63.46 ccw(c56.096,63.858) 56.658,63.858 ccw(c56.096,63.858) 56.493,64.256 55.33,65.419 55.33,65.855 55.68,66.205 55.945,66.205 57.194,64.956 ccw(c57.592,65.354) 57.989,64.956 58.254,65.22 ccw(c57.856,65.618) 58.418,65.618 ccw(c57.856,65.618) 58.254,66.016 57.023,67.246 57.023,67.742 57.328,68.047 57.633,68.047 58.145,67.534 58.145,67.526 ccw(c58.543,67.923) 58.94,67.526 63.627,72.212 63.627,72.542 64.491,73.406 J17.30@64.77,73.406
  other v2: 51.994,58.09
L11_T1_13_N: J1.89 J16.74 | length 41.6
  Top Layer w0.127: J16.74@8.89,4.826 9.449,4.826 10.033,5.41 10.033,5.82 10.436,6.223 10.461,6.248 12.192,6.248 12.598,6.655 12.598,9.249 15.338,11.989 17.297,11.989 18.136,12.827 18.339,13.03 19.426,13.03 ccw(c19.426,13.124) 19.52,13.124 cw(c20.112,13.124) 20.112,13.716 20.731,13.716 cw(c20.731,13.124) 21.323,13.124 21.323,11.742 ccw(c21.661,11.742) 21.661,11.405 22.281,11.405 ccw(c22.281,11.742) 22.619,11.742 22.619,13.124 cw(c23.211,13.124) 23.211,13.716 23.83,13.716 cw(c23.83,13.124) 24.422,13.124 24.422,11.742 ccw(c24.76,11.742) 24.76,11.405 25.38,11.405 ccw(c25.38,11.742) 25.717,11.742 25.717,12.742 26.387,13.411 34.736,13.411 35.473,14.148 35.473,14.624 35.2,14.897 J1.89@35.2,15.961
L11_T1_13_P: J1.87 J16.72 | length 41.5
  Top Layer w0.127: J16.72@11.43,4.826 10.871,4.826 10.287,5.41 10.287,5.715 10.566,5.994 12.297,5.994 12.372,6.069 12.852,6.55 12.852,9.144 15.443,11.735 17.403,11.735 18.444,12.776 19.426,12.776 ccw(c19.426,13.124) 19.774,13.124 cw(c20.112,13.124) 20.112,13.462 20.731,13.462 cw(c20.731,13.124) 21.069,13.124 21.069,11.742 ccw(c21.661,11.742) 21.661,11.151 22.281,11.151 ccw(c22.281,11.742) 22.873,11.742 22.873,13.124 cw(c23.211,13.124) 23.211,13.462 23.83,13.462 cw(c23.83,13.124) 24.168,13.124 24.168,11.742 ccw(c24.76,11.742) 24.76,11.151 25.38,11.151 ccw(c25.38,11.742) 25.971,11.742 25.971,12.636 26.492,13.157 34.842,13.157 35.727,14.043 35.727,14.624 36,14.897 J1.87@36,15.961
L11_T1_34_N: J1.44 J16.33 | length 42
  Top Layer w0.127: J1.44@53.6,20.361 53.6,21.425 53.873,21.698 53.873,23.863 v2@53.683,24.054
  Bottom Layer w0.127: v2@53.683,24.054 53.873,23.863 53.873,15.621 54.045,15.449 ccw(c54.46,15.864) 54.876,15.449 55.441,16.015 cw(c55.682,15.774) 55.922,16.015 56.088,15.849 cw(c55.847,15.609) 56.187,15.609 cw(c55.847,15.609) 56.088,15.368 54.306,13.586 ccw(c54.726,13.166) 54.306,12.746 54.471,12.581 ccw(c54.891,13.001) 55.312,12.581 57.093,14.362 cw(c57.334,14.122) 57.575,14.362 57.74,14.197 cw(c57.499,13.956) 57.84,13.956 cw(c57.499,13.956) 57.74,13.716 55.958,11.934 ccw(c56.379,11.514) 55.958,11.093 56.124,10.928 ccw(c56.544,11.348) 56.964,10.928 58.746,12.71 cw(c58.986,12.469) 59.227,12.71 59.392,12.545 cw(c59.152,12.304) 59.492,12.304 cw(c59.152,12.304) 59.392,12.063 57.611,10.282 ccw(c58.031,9.861) 57.611,9.441 57.776,9.276 ccw(c58.196,9.696) 58.616,9.276 59.177,9.836 cw(c59.418,9.596) 59.658,9.836 60.833,8.661 60.833,8.306 59.893,7.366 J16.33@59.69,7.366
  other v2: 53.657,24.054
L11_T1_34_P: J1.42 J16.31 | length 42
  Top Layer w0.127: v2@54.318,24.054 54.127,23.863 54.127,21.698 54.4,21.425 J1.42@54.4,20.361
  Bottom Layer w0.127: v2@54.318,24.054 54.127,23.864 54.127,15.726 54.225,15.629 ccw(c54.46,15.864) 54.696,15.629 55.261,16.194 cw(c55.682,15.774) 56.102,16.194 56.267,16.029 cw(c55.847,15.609) 56.441,15.609 cw(c55.847,15.609) 56.267,15.188 54.486,13.407 ccw(c54.726,13.166) 54.486,12.925 54.651,12.76 ccw(c54.891,13.001) 55.132,12.76 56.914,14.542 cw(c57.334,14.122) 57.754,14.542 57.92,14.377 cw(c57.499,13.956) 58.094,13.956 cw(c57.499,13.956) 57.92,13.536 56.138,11.754 ccw(c56.379,11.514) 56.138,11.273 56.303,11.108 ccw(c56.544,11.348) 56.784,11.108 58.566,12.89 cw(c58.986,12.469) 59.407,12.89 59.572,12.724 cw(c59.152,12.304) 59.746,12.304 cw(c59.152,12.304) 59.572,11.884 57.79,10.102 ccw(c58.031,9.861) 57.79,9.621 57.956,9.455 ccw(c58.196,9.696) 58.437,9.455 58.997,10.016 cw(c59.418,9.596) 59.838,10.016 61.087,8.767 61.087,8.306 62.027,7.366 J16.31@62.23,7.366
  other v2: 54.394,24.054
L11_T1_35_N: J2.50 J17.37 | length 18.5
  Top Layer w0.127: J2.50@51.2,64.811 51.2,65.875 51.473,66.148 51.473,67.187 53.213,68.927 53.213,69.679 cw(c53.854,69.679) 53.854,70.32 55.213,70.32 ccw(c55.213,70.707) 55.601,70.707 55.601,70.822 ccw(c55.213,70.822) 55.213,71.209 53.854,71.209 cw(c53.854,71.85) 53.213,71.85 53.213,74.019 54.022,74.828 55.397,74.828 55.753,75.184 55.753,75.387 55.194,75.946 J17.37@54.61,75.946
L11_T1_35_P: J2.48 J17.35 | length 18.5
  Top Layer w0.127: J2.48@52,64.811 52,65.875 51.727,66.148 51.727,67.081 53.467,68.821 53.467,69.679 cw(c53.854,69.679) 53.854,70.066 55.213,70.066 ccw(c55.213,70.707) 55.855,70.707 55.855,70.822 ccw(c55.213,70.822) 55.213,71.463 53.854,71.463 cw(c53.854,71.85) 53.467,71.85 53.467,73.914 54.127,74.574 55.503,74.574 56.007,75.079 56.007,75.387 56.566,75.946 J17.35@57.15,75.946
L12_T1_13_N: J1.90 J16.73 | length 41.9
  Top Layer w0.127: J16.73@8.89,7.366 9.398,7.366 10.058,8.026 10.058,9.119 10.915,9.976 ccw(c10.574,10.317) 11.057,10.317 ccw(c10.574,10.317) 10.915,10.658 10.79,10.784 cw(c11.311,11.305) 10.79,11.826 11.005,12.041 cw(c11.526,11.52) 12.047,12.041 13.018,11.07 ccw(c13.359,11.411) 13.701,11.07 13.916,11.285 ccw(c13.575,11.627) 14.058,11.627 ccw(c13.575,11.627) 13.916,11.968 12.945,12.939 cw(c13.466,13.46) 12.945,13.981 13.161,14.196 cw(c13.681,13.676) 14.202,14.196 15.316,13.083 ccw(c15.657,13.424) 15.998,13.083 16.214,13.298 ccw(c15.873,13.64) 16.355,13.64 ccw(c15.873,13.64) 16.214,13.981 15.875,14.32 cw(c16.183,14.627) 15.875,14.935 17.426,16.486 29.107,16.486 30.781,18.161 34.838,18.161 35.473,18.796 35.473,19.025 35.2,19.298 J1.90@35.2,20.361
L12_T1_13_P: J1.88 J16.71 | length 41.9
  Top Layer w0.127: J16.71@11.43,7.366 10.973,7.366 10.312,8.026 10.312,9.013 11.095,9.796 ccw(c10.574,10.317) 11.311,10.317 ccw(c10.574,10.317) 11.095,10.838 10.969,10.963 cw(c11.311,11.305) 10.969,11.646 11.185,11.862 cw(c11.526,11.52) 11.867,11.862 12.839,10.89 ccw(c13.359,11.411) 13.88,10.89 14.096,11.106 ccw(c13.575,11.627) 14.312,11.627 ccw(c13.575,11.627) 14.096,12.148 13.125,13.119 cw(c13.466,13.46) 13.125,13.801 13.34,14.017 cw(c13.681,13.676) 14.023,14.017 15.136,12.903 ccw(c15.657,13.424) 16.178,12.903 16.393,13.119 ccw(c15.873,13.64) 16.609,13.64 ccw(c15.873,13.64) 16.393,14.16 16.055,14.499 cw(c16.183,14.627) 16.055,14.756 17.531,16.232 29.212,16.232 29.286,16.307 30.886,17.907 34.943,17.907 35.727,18.691 35.727,19.025 36,19.298 J1.88@36,20.361
L12_T2_34_N: J1.49 J16.40 | length 20.1
  Top Layer w0.127: J1.49@51.2,15.961 51.2,14.897 51.473,14.624 51.473,14.148 ccw(c51.867,14.148) 51.867,13.754 52.629,13.754 cw(c52.629,13.614) 52.769,13.614 52.769,13.259 cw(c52.629,13.259) 52.629,13.119 51.213,13.119 ccw(c51.213,12.725) 50.819,12.725 50.819,12.37 ccw(c51.213,12.37) 51.213,11.976 52.629,11.976 cw(c52.629,11.836) 52.769,11.836 52.769,11.481 cw(c52.629,11.481) 52.629,11.341 51.867,11.341 ccw(c51.867,10.947) 51.473,10.947 51.473,10.249 50.673,9.449 50.673,6.524 51.203,5.994 53.111,5.994 53.213,5.893 53.213,5.512 52.527,4.826 J16.40@52.07,4.826
L12_T2_34_P: J1.47 J16.38 | length 20.1
  Top Layer w0.127: J1.47@52,15.961 52,14.897 51.727,14.624 51.727,14.148 ccw(c51.867,14.148) 51.867,14.008 52.629,14.008 cw(c52.629,13.614) 53.023,13.614 53.023,13.259 cw(c52.629,13.259) 52.629,12.865 51.213,12.865 ccw(c51.213,12.725) 51.073,12.725 51.073,12.37 ccw(c51.213,12.37) 51.213,12.23 52.629,12.23 cw(c52.629,11.836) 53.023,11.836 53.023,11.481 cw(c52.629,11.481) 52.629,11.087 51.867,11.087 ccw(c51.867,10.947) 51.727,10.947 51.727,10.144 50.927,9.344 50.927,6.629 51.308,6.248 53.217,6.248 53.467,5.998 53.467,5.512 54.153,4.826 J16.38@54.61,4.826
L12_T2_35_N: J2.55 J17.38 | length 40.9
  Top Layer w0.127: J2.55@48.8,60.411 48.8,59.347 49.073,59.074 49.073,58.306 v2@48.883,58.115
  Bottom Layer w0.127: v2@48.883,58.115 49.073,58.306 49.073,64.034 49.271,64.231 cw(c49.684,63.818) 50.097,64.231 50.6,63.728 ccw(c50.833,63.962) 51.067,63.728 51.228,63.89 ccw(c50.995,64.123) 51.325,64.123 ccw(c50.995,64.123) 51.228,64.357 49.576,66.009 cw(c49.989,66.422) 49.576,66.835 49.738,66.997 cw(c50.151,66.584) 50.564,66.997 52.216,65.345 ccw(c52.45,65.578) 52.683,65.345 52.845,65.506 ccw(c52.611,65.74) 52.941,65.74 ccw(c52.611,65.74) 52.845,65.973 51.192,67.626 cw(c51.605,68.039) 51.192,68.452 51.354,68.613 cw(c51.767,68.2) 52.18,68.613 53.833,66.961 ccw(c54.066,67.195) 54.299,66.961 54.461,67.123 ccw(c54.228,67.356) 54.558,67.356 ccw(c54.228,67.356) 54.461,67.59 52.809,69.242 cw(c53.222,69.655) 52.809,70.068 52.97,70.23 cw(c53.383,69.817) 53.797,70.23 55.449,68.578 ccw(c55.682,68.811) 55.916,68.578 56.078,68.739 ccw(c55.844,68.973) 56.174,68.973 ccw(c55.844,68.973) 56.078,69.206 55.575,69.709 cw(c55.988,70.122) 55.575,70.535 55.753,70.714 55.753,72.644 54.991,73.406 J17.38@54.61,73.406
  other v2: 48.857,58.115
L12_T2_35_P: J2.53 J17.36 | length 40.9
  Top Layer w0.127: v2@49.518,58.115 49.327,58.306 49.327,59.074 49.6,59.347 J2.53@49.6,60.411
  Bottom Layer w0.127: v2@49.518,58.115 49.327,58.306 49.327,63.928 49.45,64.052 cw(c49.684,63.818) 49.917,64.052 50.42,63.549 ccw(c50.833,63.962) 51.246,63.549 51.408,63.71 ccw(c50.995,64.123) 51.579,64.123 ccw(c50.995,64.123) 51.408,64.536 49.755,66.189 cw(c49.989,66.422) 49.755,66.656 49.917,66.817 cw(c50.151,66.584) 50.384,66.817 52.036,65.165 ccw(c52.45,65.578) 52.863,65.165 53.024,65.327 ccw(c52.611,65.74) 53.195,65.74 ccw(c52.611,65.74) 53.024,66.153 51.372,67.805 cw(c51.605,68.039) 51.372,68.272 51.534,68.434 cw(c51.767,68.2) 52.001,68.434 53.653,66.782 ccw(c54.066,67.195) 54.479,66.782 54.641,66.943 ccw(c54.228,67.356) 54.812,67.356 ccw(c54.228,67.356) 54.641,67.769 52.988,69.422 cw(c53.222,69.655) 52.988,69.889 53.15,70.05 cw(c53.383,69.817) 53.617,70.05 55.269,68.398 ccw(c55.682,68.811) 56.096,68.398 56.257,68.56 ccw(c55.844,68.973) 56.428,68.973 ccw(c55.844,68.973) 56.257,69.386 55.754,69.889 cw(c55.988,70.122) 55.754,70.356 56.007,70.608 56.007,72.644 56.769,73.406 J17.36@57.15,73.406
  other v2: 49.594,58.115